# Allegro board S071AA-0413-20260427_Power.brd (continued)
## Routing (per net, layer and track width the routed paths; a pad name or vN(x,y) marks a point on that pad's centre or on a via; arc(x,y) is an arc through that point) (continued)
; D432.B15 20.59,402.39 ; D432.B15 21.66,401.32 ; D228.B13 100.4,391.16 ; D228.B13 98.26,391.16 ; D228.B13 99.33,390.09 ; D228.B13 99.33,392.23 ; D116.A13 174.06,396.24 ; D116.A13 172.99,395.17 ; D116.A13 172.99,397.31 ; D116.A13 171.92,396.24 ; D117.A10 39.44,96.52 ; D117.A10 38.37,97.59 ; D117.A10 38.37,95.45 ; D117.A10 37.3,96.52 ; 263.36,327.66 D109.B6 ; D109.B6 264.43,326.59 ; D109.B6 265.5,327.66 ; D109.B6 264.43,328.73 ; 187.16,391.16 D116.B7 ; D116.B7 189.3,391.16 ; D116.B7 188.23,390.09 ; D116.B7 188.23,392.23 ; 96.79,75.13 D122.A4 ; D122.A4 96.79,77.27 ; D122.A4 97.86,76.2 ; D122.A4 95.72,76.2 ; D431.A8 39.44,383.54 ; D431.A8 38.37,382.47 ; D431.A8 38.37,384.61 ; D431.A8 37.3,383.54 ; D105.B5 247.72,99.06 ; D105.B5 245.58,99.06 ; D105.B5 246.65,100.13 ; D105.B5 246.65,97.99 ; 117.11,382.47 D427.A6 ; D427.A6 117.11,384.61 ; D427.A6 118.18,383.54 ; D427.A6 116.04,383.54 ; D227.A10 106.95,374.45 ; D227.A10 108.02,373.38 ; D227.A10 106.95,372.31 ; D227.A10 105.88,373.38 ; 55.08,386.08 D431.A1 ; D431.A1 56.15,387.15 ; D431.A1 57.22,386.08 ; D431.A1 56.15,385.01 ; D432.B17 16.58,401.32 ; D432.B17 14.44,401.32 ; D432.B17 15.51,400.25 ; D432.B17 15.51,402.39 ; 258.28,332.74 D109.A8 ; D109.A8 259.35,331.67 ; D109.A8 259.35,333.81 ; D109.A8 260.42,332.74 ; 273.52,393.7 D112.A2 ; D112.A2 275.66,393.7 ; D112.A2 274.59,394.77 ; D112.A2 274.59,392.63 ; 269.51,75.13 D106.A14 ; D106.A14 268.44,76.2 ; D106.A14 269.51,77.27 ; D106.A14 270.58,76.2 ; D116.B6 191.84,388.62 ; D116.B6 189.7,388.62 ; D116.B6 190.77,387.55 ; D116.B6 190.77,389.69 ; D116.A9 184.22,396.24 ; D116.A9 183.15,397.31 ; D116.A9 182.08,396.24 ; D116.A9 183.15,395.17 ; 121.12,363.22 CSDPS426.B4 ; CSDPS426.B4 123.26,363.22 ; CSDPS426.B4 122.19,362.15 ; CSDPS426.B4 122.19,364.29 ; D232.B11 30.75,392.23 ; D232.B11 30.75,390.09 ; D232.B11 29.68,391.16 ; D232.B11 31.82,391.16 ; 33.29,341.83 CSDPS429.B10 ; CSDPS429.B10 34.36,342.9 ; CSDPS429.B10 33.29,343.97 ; CSDPS429.B10 32.22,342.9 ; D105.A12 265.5,96.52 ; D105.A12 264.43,95.45 ; D105.A12 263.36,96.52 ; D105.A12 264.43,97.59 ; D228.A7 115.64,396.24 ; D228.A7 113.5,396.24 ; D228.A7 114.57,395.17 ; D228.A7 114.57,397.31 ; 53.61,331.67 CSDPS229.B2 ; CSDPS229.B2 54.68,332.74 ; CSDPS229.B2 52.54,332.74 ; CSDPS229.B2 53.61,333.81 ; 264.43,59.89 D107.B12 ; D107.B12 263.36,60.96 ; D107.B12 265.5,60.96 ; D107.B12 264.43,62.03 ; 180.61,367.23 D115.B10 ; D115.B10 181.68,368.3 ; D115.B10 180.61,369.37 ; D115.B10 179.54,368.3 ; CSDPS429.C7 40.91,341.43 ; CSDPS429.C7 39.84,340.36 ; CSDPS429.C7 40.91,339.29 ; CSDPS429.C7 41.98,340.36 ; 16.07,351.79 UHC230.G4 ; UHC230.G4 17.69,351.79 ; UHC230.G4 16.88,352.6 ; UHC230.G4 16.88,350.98 ; 48.98,361.14 UHC430.G2_6 ; UHC430.G2_6 48.98,362.76 ; UHC430.G2_6 49.79,361.95 ; UHC430.G2_6 48.17,361.95 ; 190.77,351.99 D114.A6 ; D114.A6 191.84,353.06 ; D114.A6 190.77,354.13 ; D114.A6 189.7,353.06 ; D106.A6 250.26,76.2 ; D106.A6 248.12,76.2 ; D106.A6 249.19,75.13 ; D106.A6 249.19,77.27 ; 20.59,92.91 D117.A3 ; D117.A3 21.66,93.98 ; D117.A3 19.52,93.98 ; D117.A3 20.59,95.05 ; D117.B11 40.91,100.13 ; D117.B11 40.91,97.99 ; D117.B11 39.84,99.06 ; D117.B11 41.98,99.06 ; 105.88,342.9 CSDPS425.B10 ; CSDPS425.B10 106.95,343.97 ; CSDPS425.B10 106.95,341.83 ; CSDPS425.B10 108.02,342.9 ; 266.97,334.21 D109.A5 ; D109.A5 265.9,335.28 ; D109.A5 266.97,336.35 ; D109.A5 268.04,335.28 ; D120.B1 15.51,39.17 ; D120.B1 16.58,38.1 ; D120.B1 14.44,38.1 ; D120.B1 15.51,37.03 ; D118.B1 15.51,79.81 ; D118.B1 15.51,77.67 ; D118.B1 14.44,78.74 ; D118.B1 16.58,78.74 ; 260.82,350.52 D110.B7 ; D110.B7 261.89,349.45 ; D110.B7 262.96,350.52 ; D110.B7 261.89,351.59 ; 108.42,381 D427.B9 ; D427.B9 109.49,382.07 ; D427.B9 109.49,379.93 ; D427.B9 110.56,381 ; 178.07,409.14 DPS2.C11 ; DPS2.C11 179.14,410.21 ; DPS2.C11 177,410.21 ; DPS2.C11 178.07,411.28 ; D108.B16 275.66,40.64 ; D108.B16 274.59,41.71 ; D108.B16 273.52,40.64 ; D108.B16 274.59,39.57 ; D124.A1 89.17,34.09 ; D124.A1 89.17,31.95 ; D124.A1 90.24,33.02 ; D124.A1 88.1,33.02 ; 105.88,40.64 D124.B8 ; D124.B8 108.02,40.64 ; D124.B8 106.95,41.71 ; D124.B8 106.95,39.57 ; D122.A5 99.33,74.73 ; D122.A5 98.26,73.66 ; D122.A5 100.4,73.66 ; D122.A5 99.33,72.59 ; 169.38,76.2 D102.A4 ; D102.A4 170.45,75.13 ; D102.A4 170.45,77.27 ; D102.A4 171.52,76.2 ; 261.89,390.09 D112.B7 ; D112.B7 260.82,391.16 ; D112.B7 261.89,392.23 ; D112.B7 262.96,391.16 ; D120.A11 41.98,33.02 ; D120.A11 40.91,31.95 ; D120.A11 40.91,34.09 ; D120.A11 39.84,33.02 ; D432.B2 53.61,399.85 ; D432.B2 54.68,398.78 ; D432.B2 52.54,398.78 ; D432.B2 53.61,397.71 ; 164.3,96.52 D101.A2 ; D101.A2 165.37,97.59 ; D101.A2 166.44,96.52 ; D101.A2 165.37,95.45 ; D115.A15 168.98,375.92 ; D115.A15 167.91,376.99 ; D115.A15 166.84,375.92 ; D115.A15 167.91,374.85 ; D101.B4 171.52,101.6 ; D101.B4 170.45,100.53 ; D101.B4 169.38,101.6 ; D101.B4 170.45,102.67 ; 34.76,78.74 D118.B9 ; D118.B9 35.83,77.67 ; D118.B9 35.83,79.81 ; D118.B9 36.9,78.74 ; D431.B3 52.14,381 ; D431.B3 51.07,382.07 ; D431.B3 50,381 ; D431.B3 51.07,379.93 ; D119.A2 18.05,56.95 ; D119.A2 18.05,54.81 ; D119.A2 16.98,55.88 ; D119.A2 19.12,55.88 ; D101.B15 199.46,99.06 ; D101.B15 198.39,97.99 ; D101.B15 198.39,100.13 ; D101.B15 197.32,99.06 ; D107.B7 252.8,58.42 ; D107.B7 251.73,59.49 ; D107.B7 250.66,58.42 ; D107.B7 251.73,57.35 ; 18.05,331.67 CSDPS229.B16 ; CSDPS229.B16 19.12,332.74 ; CSDPS229.B16 18.05,333.81 ; CSDPS229.B16 16.98,332.74 ; 241.57,374.85 D111.A15 ; D111.A15 242.64,375.92 ; D111.A15 241.57,376.99 ; D111.A15 240.5,375.92 ; DPS1.A11 262.96,13.97 ; DPS1.A11 261.89,15.04 ; DPS1.A11 260.82,13.97 ; D227.A14 96.79,374.45 ; D227.A14 95.72,373.38 ; D227.A14 97.86,373.38 ; D227.A14 96.79,372.31 ; 91.71,331.67 CSDPS225.B16 ; CSDPS225.B16 91.71,333.81 ; CSDPS225.B16 92.78,332.74 ; CSDPS225.B16 90.64,332.74 ; 20.59,72.59 D118.A3 ; D118.A3 19.52,73.66 ; D118.A3 21.66,73.66 ; D118.A3 20.59,74.73 ; CSDPS429.B8 39.44,342.9 ; CSDPS429.B8 37.3,342.9 ; CSDPS429.B8 38.37,341.83 ; CSDPS429.B8 38.37,343.97 ; D427.A17 90.24,386.08 ; D427.A17 89.17,385.01 ; D427.A17 88.1,386.08 ; D427.A17 89.17,387.15 ; 95.72,378.46 D427.B14 ; D427.B14 97.86,378.46 ; D427.B14 96.79,377.39 ; D427.B14 96.79,379.53 ; D104.A1 162.83,34.09 ; D104.A1 162.83,31.95 ; D104.A1 163.9,33.02 ; D104.A1 161.76,33.02 ; D114.A11 178.07,356.67 ; D114.A11 177,355.6 ; D114.A11 178.07,354.53 ; D114.A11 179.14,355.6 ; 240.5,396.24 D112.A15 ; D112.A15 241.57,395.17 ; D112.A15 241.57,397.31 ; D112.A15 242.64,396.24 ; D108.B9 256.81,39.17 ; D108.B9 255.74,38.1 ; D108.B9 256.81,37.03 ; D108.B9 257.88,38.1 ; D121.B8 108.02,101.6 ; D121.B8 106.95,100.53 ; D121.B8 105.88,101.6 ; D121.B8 106.95,102.67 ; 24.6,58.42 D119.B5 ; D119.B5 25.67,57.35 ; D119.B5 25.67,59.49 ; D119.B5 26.74,58.42 ; D101.B11 189.3,99.06 ; D101.B11 188.23,97.99 ; D101.B11 187.16,99.06 ; D101.B11 188.23,100.13 ; D228.A4 123.26,393.7 ; D228.A4 121.12,393.7 ; D228.A4 122.19,392.63 ; D228.A4 122.19,394.77 ; 129.81,329.13 CSDPS225.C1 ; CSDPS225.C1 130.88,330.2 ; CSDPS225.C1 128.74,330.2 ; CSDPS225.C1 129.81,331.27 ; D109.B2 274.59,328.73 ; D109.B2 274.59,326.59 ; D109.B2 275.66,327.66 ; D109.B2 273.52,327.66 ; D106.B13 268.04,78.74 ; D106.B13 266.97,79.81 ; D106.B13 266.97,77.67 ; D106.B13 265.9,78.74 ; D119.B4 24.2,60.96 ; D119.B4 23.13,59.89 ; D119.B4 22.06,60.96 ; D119.B4 23.13,62.03 ; 91.71,341.83 CSDPS425.B16 ; CSDPS425.B16 92.78,342.9 ; CSDPS425.B16 90.64,342.9 ; CSDPS425.B16 91.71,343.97 ; D119.B13 47.06,58.42 ; D119.B13 45.99,57.35 ; D119.B13 44.92,58.42 ; D119.B13 45.99,59.49 ; UHC230.G4_12 17.69,348.29 ; UHC230.G4_12 16.07,348.29 ; UHC230.G4_12 16.88,347.48 ; UHC230.G4_12 16.88,349.1 ; D107.B14 269.51,62.03 ; D107.B14 268.44,60.96 ; D107.B14 270.58,60.96 ; D107.B14 269.51,59.89 ; 93.18,58.42 D123.B3 ; D123.B3 94.25,57.35 ; D123.B3 94.25,59.49 ; D123.B3 95.32,58.42 ; D102.A9 183.15,74.73 ; D102.A9 183.15,72.59 ; D102.A9 182.08,73.66 ; D102.A9 184.22,73.66 ; 123.66,99.06 D121.B15 ; D121.B15 124.73,97.99 ; D121.B15 125.8,99.06 ; D121.B15 124.73,100.13 ; D115.B5 194.38,370.84 ; D115.B5 192.24,370.84 ; D115.B5 193.31,371.91 ; D115.B5 193.31,369.77 ; D107.A6 250.26,55.88 ; D107.A6 248.12,55.88 ; D107.A6 249.19,54.81 ; D107.A6 249.19,56.95 ; 250.66,99.06 D105.B7 ; D105.B7 251.73,100.13 ; D105.B7 252.8,99.06 ; D105.B7 251.73,97.99 ; D106.A1 237.56,73.66 ; D106.A1 235.42,73.66 ; D106.A1 236.49,74.73 ; D106.A1 236.49,72.59 ; D114.A12 175.53,354.13 ; D114.A12 175.53,351.99 ; D114.A12 174.46,353.06 ; D114.A12 176.6,353.06 ; 174.46,96.52 D101.A6 ; D101.A6 176.6,96.52 ; D101.A6 175.53,95.45 ; D101.A6 175.53,97.59 ; 24.6,386.08 D431.A13 ; D431.A13 26.74,386.08 ; D431.A13 25.67,385.01 ; D431.A13 25.67,387.15 ; 101.87,80.21 D122.B6 ; D122.B6 101.87,82.35 ; D122.B6 102.94,81.28 ; D122.B6 100.8,81.28 ; D121.A10 113.1,96.52 ; D121.A10 112.03,97.59 ; D121.A10 112.03,95.45 ; D121.A10 110.96,96.52 ; D427.B1 129.81,382.07 ; D427.B1 130.88,381 ; D427.B1 128.74,381 ; D427.B1 129.81,379.93 ; D232.A8 39.44,393.7 ; D232.A8 38.37,394.77 ; D232.A8 37.3,393.7 ; D232.A8 38.37,392.63 ; D101.B7 178.07,100.13 ; D101.B7 177,99.06 ; D101.B7 179.14,99.06 ; D101.B7 178.07,97.99 ; 93.18,340.36 CSDPS425.C15 ; CSDPS425.C15 95.32,340.36 ; CSDPS425.C15 94.25,341.43 ; CSDPS425.C15 94.25,339.29 ; D113.B15 168.98,330.2 ; D113.B15 167.91,331.27 ; D113.B15 166.84,330.2 ; D113.B15 167.91,329.13 ; 106.95,402.79 D428.A10 ; D428.A10 106.95,404.93 ; D428.A10 105.88,403.86 ; D428.A10 108.02,403.86 ; 255.74,370.84 D111.B9 ; D111.B9 257.88,370.84 ; D111.B9 256.81,371.91 ; D111.B9 256.81,369.77 ; D427.B5 120.72,381 ; D427.B5 119.65,382.07 ; D427.B5 118.58,381 ; D427.B5 119.65,379.93 ; D107.A9 256.81,54.41 ; D107.A9 256.81,52.27 ; D107.A9 257.88,53.34 ; D107.A9 255.74,53.34 ; D427.A14 96.79,384.61 ; D427.A14 97.86,383.54 ; D427.A14 96.79,382.47 ; D427.A14 95.72,383.54 ; D232.A15 20.59,397.31 ; D232.A15 21.66,396.24 ; D232.A15 19.52,396.24 ; D232.A15 20.59,395.17 ; 98.26,93.98 D121.A5 ; D121.A5 99.33,92.91 ; D121.A5 99.33,95.05 ; D121.A5 100.4,93.98 ; D110.A14 245.18,353.06 ; D110.A14 244.11,351.99 ; D110.A14 244.11,354.13 ; D110.A14 243.04,353.06 ; 24.6,78.74 D118.B5 ; D118.B5 25.67,79.81 ; D118.B5 26.74,78.74 ; D118.B5 25.67,77.67 ; D232.B5 45.99,392.23 ; D232.B5 45.99,390.09 ; D232.B5 47.06,391.16 ; D232.B5 44.92,391.16 ; 235.42,19.05 DPS1.C01 ; DPS1.C01 236.49,17.98 ; DPS1.C01 237.56,19.05 ; DPS1.C01 236.49,20.12 ; 27.14,383.54 D431.A12 ; D431.A12 28.21,382.47 ; D431.A12 29.28,383.54 ; D431.A12 28.21,384.61 ; 20.59,31.95 D120.A3 ; D120.A3 20.59,34.09 ; D120.A3 21.66,33.02 ; D120.A3 19.52,33.02 ; D124.A15 125.8,33.02 ; D124.A15 123.66,33.02 ; D124.A15 124.73,34.09 ; D124.A15 124.73,31.95 ; UHC430.G1_3 15.39,365.45 ; UHC430.G1_3 13.77,365.45 ; UHC430.G1_3 14.58,364.64 ; UHC430.G1_3 14.58,366.26 ; D109.A6 265.5,332.74 ; D109.A6 264.43,331.67 ; D109.A6 263.36,332.74 ; D109.A6 264.43,333.81 ; CSDPS229.B14 23.13,333.81 ; CSDPS229.B14 24.2,332.74 ; CSDPS229.B14 23.13,331.67 ; CSDPS229.B14 22.06,332.74 ; D121.B2 91.71,102.67 ; D121.B2 91.71,100.53 ; D121.B2 92.78,101.6 ; D121.B2 90.64,101.6 ; CSDPS429.B2 54.68,342.9 ; CSDPS429.B2 52.54,342.9 ; CSDPS429.B2 53.61,341.83 ; CSDPS429.B2 53.61,343.97 ; D102.B16 200.93,82.35 ; D102.B16 200.93,80.21 ; D102.B16 202,81.28 ; D102.B16 199.86,81.28 ; D428.A8 112.03,404.93 ; D428.A8 112.03,402.79 ; D428.A8 113.1,403.86 ; D428.A8 110.96,403.86 ; 122.19,341.83 CSDPS425.B4 ; CSDPS425.B4 121.12,342.9 ; CSDPS425.B4 123.26,342.9 ; CSDPS425.B4 122.19,343.97 ; D102.A7 178.07,74.73 ; D102.A7 177,73.66 ; D102.A7 179.14,73.66 ; D102.A7 178.07,72.59 ; D231.A13 25.67,376.99 ; D231.A13 25.67,374.85 ; D231.A13 24.6,375.92 ; D231.A13 26.74,375.92 ; 244.11,80.21 D106.B4 ; D106.B4 245.18,81.28 ; D106.B4 243.04,81.28 ; D106.B4 244.11,82.35 ; D110.A6 265.5,353.06 ; D110.A6 263.36,353.06 ; D110.A6 264.43,351.99 ; D110.A6 264.43,354.13 ; D111.B4 269.51,369.37 ; D111.B4 270.58,368.3 ; D111.B4 268.44,368.3 ; D111.B4 269.51,367.23 ; D113.B6 190.77,328.73 ; D113.B6 191.84,327.66 ; D113.B6 190.77,326.59 ; D113.B6 189.7,327.66 ; D124.B2 92.78,40.64 ; D124.B2 90.64,40.64 ; D124.B2 91.71,39.57 ; D124.B2 91.71,41.71 ; D101.B10 185.69,102.67 ; D101.B10 184.62,101.6 ; D101.B10 185.69,100.53 ; D101.B10 186.76,101.6 ; 106.95,59.89 D123.B8 ; D123.B8 108.02,60.96 ; D123.B8 105.88,60.96 ; D123.B8 106.95,62.03 ; 184.62,388.62 D116.B8 ; D116.B8 185.69,387.55 ; D116.B8 186.76,388.62 ; D116.B8 185.69,389.69 ; 256.81,77.67 D106.B9 ; D106.B9 256.81,79.81 ; D106.B9 255.74,78.74 ; D106.B9 257.88,78.74 ; D123.B14 123.26,60.96 ; D123.B14 121.12,60.96 ; D123.B14 122.19,62.03 ; D123.B14 122.19,59.89 ; D231.B12 28.21,369.37 ; D231.B12 29.28,368.3 ; D231.B12 28.21,367.23 ; D231.B12 27.14,368.3 ; D111.A3 272.05,376.99 ; D111.A3 270.98,375.92 ; D111.A3 273.12,375.92 ; D111.A3 272.05,374.85 ; 123.66,73.66 D122.A15 ; D122.A15 124.73,74.73 ; D122.A15 124.73,72.59 ; D122.A15 125.8,73.66 ; 178.07,37.03 D104.B7 ; D104.B7 179.14,38.1 ; D104.B7 178.07,39.17 ; D104.B7 177,38.1 ; 121.12,368.3 D227.B4 ; D227.B4 122.19,369.37 ; D227.B4 122.19,367.23 ; D227.B4 123.26,368.3 ; D102.A8 181.68,76.2 ; D102.A8 180.61,75.13 ; D102.A8 180.61,77.27 ; D102.A8 179.54,76.2 ; 27.14,388.62 D232.B12 ; D232.B12 28.21,387.55 ; D232.B12 29.28,388.62 ; D232.B12 28.21,389.69 ; 263.36,368.3 D111.B6 ; D111.B6 264.43,367.23 ; D111.B6 265.5,368.3 ; D111.B6 264.43,369.37 ; 185.69,326.59 D113.B8 ; D113.B8 185.69,328.73 ; D113.B8 186.76,327.66 ; D113.B8 184.62,327.66 ; 47.46,35.56 D120.A14 ; D120.A14 49.6,35.56 ; D120.A14 48.53,34.49 ; D120.A14 48.53,36.63 ; D114.B4 195.85,349.05 ; D114.B4 194.78,347.98 ; D114.B4 196.92,347.98 ; D114.B4 195.85,346.91 ; D228.A3 125.8,396.24 ; D228.A3 124.73,397.31 ; D228.A3 123.66,396.24 ; D228.A3 124.73,395.17 ; UHC430.G2_11 48.98,359.26 ; UHC430.G2_11 48.17,358.45 ; UHC430.G2_11 49.79,358.45 ; UHC430.G2_11 48.98,357.64 ; D111.A12 250.26,373.38 ; D111.A12 249.19,374.45 ; D111.A12 248.12,373.38 ; D111.A12 249.19,372.31 ; 177,415.29 DPS2.A11 ; DPS2.A11 178.07,414.22 ; DPS2.A11 179.14,415.29 ; 48.53,95.45 D117.A14 ; D117.A14 48.53,97.59 ; D117.A14 47.46,96.52 ; D117.A14 49.6,96.52 ; CSDPS425.C13 100.4,340.36 ; CSDPS425.C13 99.33,341.43 ; CSDPS425.C13 99.33,339.29 ; CSDPS425.C13 98.26,340.36 ; 50,375.92 D231.A3 ; D231.A3 51.07,376.99 ; D231.A3 52.14,375.92 ; D231.A3 51.07,374.85 ; D428.B15 94.25,402.39 ; D428.B15 94.25,400.25 ; D428.B15 95.32,401.32 ; D428.B15 93.18,401.32 ; 251.73,31.95 D108.A7 ; D108.A7 251.73,34.09 ; D108.A7 250.66,33.02 ; D108.A7 252.8,33.02 ; D105.A11 262.96,93.98 ; D105.A11 260.82,93.98 ; D105.A11 261.89,95.05 ; D105.A11 261.89,92.91 ; 166.84,396.24 D116.A15 ; D116.A15 168.98,396.24 ; D116.A15 167.91,395.17 ; D116.A15 167.91,397.31 ; 20.59,97.99 D117.B3 ; D117.B3 19.52,99.06 ; D117.B3 20.59,100.13 ; D117.B3 21.66,99.06 ; D120.B8 34.36,40.64 ; D120.B8 32.22,40.64 ; D120.B8 33.29,39.57 ; D120.B8 33.29,41.71 ; 96.79,397.71 D428.B14 ; D428.B14 97.86,398.78 ; D428.B14 96.79,399.85 ; D428.B14 95.72,398.78 ; 270.98,13.97 DPS1.A15 ; DPS1.A15 272.05,12.9 ; DPS1.A15 272.05,15.04 ; DPS1.A15 273.12,13.97 ; D104.A11 189.3,33.02 ; D104.A11 188.23,34.09 ; D104.A11 188.23,31.95 ; D104.A11 187.16,33.02 ; D431.A14 24.2,383.54 ; D431.A14 23.13,384.61 ; D431.A14 22.06,383.54 ; D431.A14 23.13,382.47 ; 37.3,378.46 D431.B8 ; D431.B8 38.37,377.39 ; D431.B8 39.44,378.46 ; D431.B8 38.37,379.53 ; 29.68,340.36 CSDPS429.C11 ; CSDPS429.C11 30.75,339.29 ; CSDPS429.C11 31.82,340.36 ; CSDPS429.C11 30.75,341.43 ; 45.99,92.91 D117.A13 ; D117.A13 45.99,95.05 ; D117.A13 44.92,93.98 ; D117.A13 47.06,93.98 ; 38.37,54.81 D119.A10 ; D119.A10 38.37,56.95 ; D119.A10 39.44,55.88 ; D119.A10 37.3,55.88 ; 51.07,390.09 D232.B3 ; D232.B3 50,391.16 ; D232.B3 51.07,392.23 ; D232.B3 52.14,391.16 ; 118.58,93.98 D121.A13 ; D121.A13 119.65,95.05 ; D121.A13 119.65,92.91 ; D121.A13 120.72,93.98 ; 116.04,378.46 D427.B6 ; D427.B6 118.18,378.46 ; D427.B6 117.11,377.39 ; D427.B6 117.11,379.53 ; CSDPS429.C5 47.06,340.36 ; CSDPS429.C5 45.99,341.43 ; CSDPS429.C5 44.92,340.36 ; CSDPS429.C5 45.99,339.29 ; UHC430.G2_1 48.98,366.26 ; UHC430.G2_1 48.98,364.64 ; UHC430.G2_1 48.17,365.45 ; UHC430.G2_1 49.79,365.45 ; D106.B16 274.59,82.35 ; D106.B16 275.66,81.28 ; D106.B16 274.59,80.21 ; D106.B16 273.52,81.28 ; D104.A8 180.61,36.63 ; D104.A8 179.54,35.56 ; D104.A8 180.61,34.49 ; D104.A8 181.68,35.56 ; 178.07,374.85 D115.A11 ; D115.A11 177,375.92 ; D115.A11 179.14,375.92 ; D115.A11 178.07,376.99 ; D115.B1 203.47,371.91 ; D115.B1 202.4,370.84 ; D115.B1 204.54,370.84 ; D115.B1 203.47,369.77 ; 112.03,54.81 D123.A10 ; D123.A10 112.03,56.95 ; D123.A10 113.1,55.88 ; D123.A10 110.96,55.88 ; 28.21,100.53 D117.B6 ; D117.B6 29.28,101.6 ; D117.B6 28.21,102.67 ; D117.B6 27.14,101.6 ; 35.83,97.99 D117.B9 ; D117.B9 36.9,99.06 ; D117.B9 35.83,100.13 ; D117.B9 34.76,99.06 ; 167.91,31.95 D104.A3 ; D104.A3 166.84,33.02 ; D104.A3 168.98,33.02 ; D104.A3 167.91,34.09 ; 128.74,386.08 D427.A1 ; D427.A1 129.81,387.15 ; D427.A1 130.88,386.08 ; D427.A1 129.81,385.01 ; 255.74,355.6 D110.A9 ; D110.A9 256.81,354.53 ; D110.A9 256.81,356.67 ; D110.A9 257.88,355.6 ; D114.B11 179.14,350.52 ; D114.B11 177,350.52 ; D114.B11 178.07,351.59 ; D114.B11 178.07,349.45 ; 98.26,406.4 D428.A13 ; D428.A13 100.4,406.4 ; D428.A13 99.33,407.47 ; D428.A13 99.33,405.33 ; CSDPS429.C3 51.07,341.43 ; CSDPS429.C3 51.07,339.29 ; CSDPS429.C3 52.14,340.36 ; CSDPS429.C3 50,340.36 ; 104.41,329.13 CSDPS225.C11 ; CSDPS225.C11 104.41,331.27 ; CSDPS225.C11 103.34,330.2 ; CSDPS225.C11 105.48,330.2 ; D102.B14 196.92,81.28 ; D102.B14 195.85,80.21 ; D102.B14 195.85,82.35 ; D102.B14 194.78,81.28 ; 93.18,360.68 CSDPS426.C15 ; CSDPS426.C15 95.32,360.68 ; CSDPS426.C15 94.25,359.61 ; CSDPS426.C15 94.25,361.75 ; D124.A4 97.86,35.56 ; D124.A4 95.72,35.56 ; D124.A4 96.79,34.49 ; D124.A4 96.79,36.63 ; 192.24,375.92 D115.A5 ; D115.A5 193.31,374.85 ; D115.A5 193.31,376.99 ; D115.A5 194.38,375.92 ; CSDPS225.B2 128.34,332.74 ; CSDPS225.B2 127.27,331.67 ; CSDPS225.B2 127.27,333.81 ; CSDPS225.B2 126.2,332.74 ; 18.05,402.79 D432.A16 ; D432.A16 16.98,403.86 ; D432.A16 19.12,403.86 ; D432.A16 18.05,404.93 ; D227.B7 115.64,370.84 ; D227.B7 114.57,371.91 ; D227.B7 114.57,369.77 ; D227.B7 113.5,370.84 ; 43.57,351.79 UHC230.G3_8 ; UHC230.G3_8 44.38,352.6 ; UHC230.G3_8 45.19,351.79 ; UHC230.G3_8 44.38,350.98 ; D120.A1 15.51,34.09 ; D120.A1 14.44,33.02 ; D120.A1 15.51,31.95 ; D120.A1 16.58,33.02 ; 258.28,353.06 D110.A8 ; D110.A8 260.42,353.06 ; D110.A8 259.35,351.99 ; D110.A8 259.35,354.13 ; 245.58,58.42 D107.B5 ; D107.B5 247.72,58.42 ; D107.B5 246.65,57.35 ; D107.B5 246.65,59.49 ; D432.A13 25.67,407.47 ; D432.A13 24.6,406.4 ; D432.A13 26.74,406.4 ; D432.A13 25.67,405.33 ; 174.46,55.88 D103.A6 ; D103.A6 175.53,56.95 ; D103.A6 175.53,54.81 ; D103.A6 176.6,55.88
  L02_DGND w0.203: 46.68,364.64 UHC430.G2_2 ; UHC430.G2_2 45.87,365.45 ; UHC430.G2_2 46.68,366.26 ; UHC430.G2_2 47.49,365.45 ; 184.88,332.74 D113.A8 ; D113.A8 186.5,332.74 ; D113.A8 185.69,331.93 ; D113.A8 185.69,333.55 ; 244.11,326.85 D109.B14 ; D109.B14 244.92,327.66 ; D109.B14 244.11,328.47 ; D109.B14 243.3,327.66 ; 268.7,35.56 D108.A14 ; D108.A14 269.51,36.37 ; D108.A14 270.32,35.56 ; D108.A14 269.51,34.75 ; 251.73,354.79 D110.A11 ; D110.A11 251.73,356.41 ; D110.A11 252.54,355.6 ; D110.A11 250.92,355.6 ; D109.A5 267.78,335.28 ; D109.A5 266.97,334.47 ; D109.A5 266.97,336.09 ; D109.A5 266.16,335.28 ; 106.14,96.52 D121.A8 ; D121.A8 106.95,95.71 ; D121.A8 107.76,96.52 ; D121.A8 106.95,97.33 ; 48.17,348.29 UHC230.G3_11 ; UHC230.G3_11 48.98,347.48 ; UHC230.G3_11 49.79,348.29 ; UHC230.G3_11 48.98,349.1 ; 111.22,342.9 CSDPS425.B8 ; CSDPS425.B8 112.03,343.71 ; CSDPS425.B8 112.03,342.09 ; CSDPS425.B8 112.84,342.9 ; 32.48,398.78 D432.B10 ; D432.B10 34.1,398.78 ; D432.B10 33.29,399.59 ; D432.B10 33.29,397.97 ; 254.27,39.83 D108.B8 ; D108.B8 254.27,41.45 ; D108.B8 253.46,40.64 ; D108.B8 255.08,40.64 ; 251.73,349.71 D110.B11 ; D110.B11 251.73,351.33 ; D110.B11 252.54,350.52 ; D110.B11 250.92,350.52 ; 172.18,53.34 D103.A5 ; D103.A5 172.99,54.15 ; D103.A5 173.8,53.34 ; D103.A5 172.99,52.53 ; 202.66,335.28 D113.A1 ; D113.A1 203.47,334.47 ; D113.A1 204.28,335.28 ; D113.A1 203.47,336.09 ; 167.1,58.42 D103.B3 ; D103.B3 167.91,59.23 ; D103.B3 167.91,57.61 ; D103.B3 168.72,58.42 ; UHC430.G1_4 18.03,364.51 ; UHC430.G1_4 18.84,363.7 ; UHC430.G1_4 17.22,363.7 ; UHC430.G1_4 18.03,362.89 ; 248.38,55.88 D107.A6 ; D107.A6 249.19,56.69 ; D107.A6 250,55.88 ; D107.A6 249.19,55.07 ; 106.95,39.83 D124.B8 ; D124.B8 107.76,40.64 ; D124.B8 106.14,40.64 ; D124.B8 106.95,41.45 ; D227.A13 99.33,376.73 ; D227.A13 100.14,375.92 ; D227.A13 98.52,375.92 ; D227.A13 99.33,375.11 ; 45.18,410.21 DPS8.C05 ; DPS8.C05 45.99,411.02 ; DPS8.C05 46.8,410.21 ; DPS8.C05 45.99,409.4 ; 266.16,73.66 D106.A13 ; D106.A13 266.97,72.85 ; D106.A13 267.78,73.66 ; D106.A13 266.97,74.47 ; 198.39,370.03 D115.B3 ; D115.B3 197.58,370.84 ; D115.B3 199.2,370.84 ; D115.B3 198.39,371.65 ; 202.66,415.29 DPS2.A01 ; DPS2.A01 203.47,416.1 ; DPS2.A01 203.47,414.48 ; DPS2.A01 204.28,415.29 ; 273.78,76.2 D106.A16 ; D106.A16 274.59,75.39 ; D106.A16 275.4,76.2 ; D106.A16 274.59,77.01 ; D228.A11 104.41,397.05 ; D228.A11 103.6,396.24 ; D228.A11 104.41,395.43 ; D228.A11 105.22,396.24 ; D431.A4 48.53,384.35 ; D431.A4 47.72,383.54 ; D431.A4 49.34,383.54 ; D431.A4 48.53,382.73 ; 200.12,393.7 D116.A2 ; D116.A2 200.93,392.89 ; D116.A2 200.93,394.51 ; D116.A2 201.74,393.7 ; 45.18,381 D431.B5 ; D431.B5 45.99,380.19 ; D431.B5 45.99,381.81 ; D431.B5 46.8,381 ; D431.A2 53.61,384.35 ; D431.A2 53.61,382.73 ; D431.A2 52.8,383.54 ; D431.A2 54.42,383.54 ; 28.21,397.97 D432.B12 ; D432.B12 27.4,398.78 ; D432.B12 29.02,398.78 ; D432.B12 28.21,399.59 ; D112.B3 272.05,391.97 ; D112.B3 272.86,391.16 ; D112.B3 271.24,391.16 ; D112.B3 272.05,390.35 ; DPS3.A11 114.57,14.78 ; DPS3.A11 115.38,13.97 ; DPS3.A11 113.76,13.97 ; DPS3.A11 114.57,13.16 ; D101.A11 189.04,93.98 ; D101.A11 188.23,93.17 ; D101.A11 187.42,93.98 ; D101.A11 188.23,94.79 ; D123.A9 110.3,53.34 ; D123.A9 109.49,52.53 ; D123.A9 109.49,54.15 ; D123.A9 108.68,53.34 ; 200.12,81.28 D102.B16 ; D102.B16 200.93,82.09 ; D102.B16 200.93,80.47 ; D102.B16 201.74,81.28 ; D121.B7 105.22,99.06 ; D121.B7 104.41,98.25 ; D121.B7 104.41,99.87 ; D121.B7 103.6,99.06 ; CSDPS425.C11 104.41,341.17 ; CSDPS425.C11 103.6,340.36 ; CSDPS425.C11 104.41,339.55 ; CSDPS425.C11 105.22,340.36 ; D231.A11 31.56,375.92 ; D231.A11 29.94,375.92 ; D231.A11 30.75,375.11 ; D231.A11 30.75,376.73 ; 129,350.52 CSDPS226.C1 ; CSDPS226.C1 130.62,350.52 ; CSDPS226.C1 129.81,351.33 ; CSDPS226.C1 129.81,349.71 ; 245.84,391.16 D112.B13 ; D112.B13 246.65,391.97 ; D112.B13 247.46,391.16 ; D112.B13 246.65,390.35 ; D109.A4 269.51,333.55 ; D109.A4 270.32,332.74 ; D109.A4 268.7,332.74 ; D109.A4 269.51,331.93 ; 129,370.84 D227.B1 ; D227.B1 129.81,371.65 ; D227.B1 129.81,370.03 ; D227.B1 130.62,370.84 ; 193.31,57.61 D103.B13 ; D103.B13 193.31,59.23 ; D103.B13 194.12,58.42 ; D103.B13 192.5,58.42 ; CSDPS229.B12 29.02,332.74 ; CSDPS229.B12 28.21,331.93 ; CSDPS229.B12 28.21,333.55 ; CSDPS229.B12 27.4,332.74 ; CSDPS426.C11 104.41,361.49 ; CSDPS426.C11 103.6,360.68 ; CSDPS426.C11 105.22,360.68 ; CSDPS426.C11 104.41,359.87 ; 15.51,57.61 D119.B1 ; D119.B1 16.32,58.42 ; D119.B1 14.7,58.42 ; D119.B1 15.51,59.23 ; 246.65,329.39 D109.B13 ; D109.B13 247.46,330.2 ; D109.B13 246.65,331.01 ; D109.B13 245.84,330.2 ; 202.66,330.2 D113.B1 ; D113.B1 203.47,331.01 ; D113.B1 203.47,329.39 ; D113.B1 204.28,330.2 ; 48.98,364.64 UHC430.G2_1 ; UHC430.G2_1 48.98,366.26 ; UHC430.G2_1 49.79,365.45 ; UHC430.G2_1 48.17,365.45 ; 272.05,77.93 D106.B15 ; D106.B15 271.24,78.74 ; D106.B15 272.05,79.55 ; D106.B15 272.86,78.74 ; 93.44,406.4 D428.A15 ; D428.A15 94.25,405.59 ; D428.A15 94.25,407.21 ; D428.A15 95.06,406.4 ; D432.B1 56.96,401.32 ; D432.B1 56.15,400.51 ; D432.B1 56.15,402.13 ; D432.B1 55.34,401.32 ; D232.A6 43.45,394.51 ; D232.A6 44.26,393.7 ; D232.A6 43.45,392.89 ; D232.A6 42.64,393.7 ; 98.52,19.05 DPS3.C05 ; DPS3.C05 99.33,18.24 ; DPS3.C05 99.33,19.86 ; DPS3.C05 100.14,19.05 ; D121.B2 92.52,101.6 ; D121.B2 91.71,102.41 ; D121.B2 90.9,101.6 ; D121.B2 91.71,100.79 ; 187.42,58.42 D103.B11 ; D103.B11 189.04,58.42 ; D103.B11 188.23,59.23 ; D103.B11 188.23,57.61 ; 167.91,354.79 D114.A15 ; D114.A15 168.72,355.6 ; D114.A15 167.1,355.6 ; D114.A15 167.91,356.41 ; 96.79,331.93 CSDPS225.B14 ; CSDPS225.B14 96.79,333.55 ; CSDPS225.B14 95.98,332.74 ; CSDPS225.B14 97.6,332.74 ; D119.A15 51.07,54.15 ; D119.A15 51.88,53.34 ; D119.A15 50.26,53.34 ; D119.A15 51.07,52.53 ; 245.84,375.92 D111.A13 ; D111.A13 247.46,375.92 ; D111.A13 246.65,376.73 ; D111.A13 246.65,375.11 ; D109.A8 260.16,332.74 ; D109.A8 258.54,332.74 ; D109.A8 259.35,333.55 ; D109.A8 259.35,331.93 ; UHC230.G4_5 15.73,354.35 ; UHC230.G4_5 15.73,352.73 ; UHC230.G4_5 14.92,353.54 ; UHC230.G4_5 16.54,353.54 ; 88.36,93.98 D121.A1 ; D121.A1 89.98,93.98 ; D121.A1 89.17,94.79 ; D121.A1 89.17,93.17 ; 106.14,393.7 D228.A10 ; D228.A10 107.76,393.7 ; D228.A10 106.95,392.89 ; D228.A10 106.95,394.51 ; D232.A3 51.88,396.24 ; D232.A3 51.07,397.05 ; D232.A3 50.26,396.24 ; D232.A3 51.07,395.43 ; 88.36,381 D427.B17 ; D427.B17 89.17,380.19 ; D427.B17 89.17,381.81 ; D427.B17 89.98,381 ; 96.79,382.73 D427.A14 ; D427.A14 95.98,383.54 ; D427.A14 96.79,384.35 ; D427.A14 97.6,383.54 ; 195.85,331.93 D113.A4 ; D113.A4 196.66,332.74 ; D113.A4 195.04,332.74 ; D113.A4 195.85,333.55 ; D107.B2 239.84,60.96 ; D107.B2 238.22,60.96 ; D107.B2 239.03,60.15 ; D107.B2 239.03,61.77 ; D111.B3 272.86,370.84 ; D111.B3 271.24,370.84 ; D111.B3 272.05,370.03 ; D111.B3 272.05,371.65 ; D113.B6 191.58,327.66 ; D113.B6 190.77,328.47 ; D113.B6 189.96,327.66 ; D113.B6 190.77,326.85 ; D227.A9 109.49,376.73 ; D227.A9 109.49,375.11 ; D227.A9 108.68,375.92 ; D227.A9 110.3,375.92 ; CSDPS425.C7 114.57,341.17 ; CSDPS425.C7 115.38,340.36 ; CSDPS425.C7 113.76,340.36 ; CSDPS425.C7 114.57,339.55 ; 253.46,393.7 D112.A10 ; D112.A10 254.27,394.51 ; D112.A10 255.08,393.7 ; D112.A10 254.27,392.89 ; 40.1,73.66 D118.A11 ; D118.A11 40.91,72.85 ; D118.A11 41.72,73.66 ; D118.A11 40.91,74.47 ; 178.07,414.48 DPS2.A11 ; DPS2.A11 178.88,415.29 ; DPS2.A11 177.26,415.29 ; DPS2.A11 178.07,416.1 ; 271.24,93.98 D105.A15 ; D105.A15 272.05,94.79 ; D105.A15 272.86,93.98 ; D105.A15 272.05,93.17 ; D228.A14 97.6,393.7 ; D228.A14 96.79,394.51 ; D228.A14 95.98,393.7 ; D228.A14 96.79,392.89 ; D431.B17 16.32,381 ; D431.B17 15.51,380.19 ; D431.B17 14.7,381 ; D431.B17 15.51,381.81 ; D123.B15 125.54,58.42 ; D123.B15 123.92,58.42 ; D123.B15 124.73,59.23 ; D123.B15 124.73,57.61 ; D111.B14 244.11,369.11 ; D111.B14 243.3,368.3 ; D111.B14 244.11,367.49 ; D111.B14 244.92,368.3 ; D227.A11 105.22,375.92 ; D227.A11 104.41,375.11 ; D227.A11 104.41,376.73 ; D227.A11 103.6,375.92 ; D428.B10 106.95,399.59 ; D428.B10 106.14,398.78 ; D428.B10 107.76,398.78 ; D428.B10 106.95,397.97 ; D428.A6 117.92,403.86 ; D428.A6 117.11,404.67 ; D428.A6 116.3,403.86 ; D428.A6 117.11,403.05 ; D231.B2 53.61,369.11 ; D231.B2 53.61,367.49 ; D231.B2 52.8,368.3 ; D231.B2 54.42,368.3 ; 18.05,392.89 D232.A16 ; D232.A16 17.24,393.7 ; D232.A16 18.05,394.51 ; D232.A16 18.86,393.7 ; D227.B13 100.14,370.84 ; D227.B13 98.52,370.84 ; D227.B13 99.33,371.65 ; D227.B13 99.33,370.03 ; D122.B15 124.73,79.55 ; D122.B15 123.92,78.74 ; D122.B15 125.54,78.74 ; D122.B15 124.73,77.93 ; CSDPS229.B8 39.18,332.74 ; CSDPS229.B8 38.37,331.93 ; CSDPS229.B8 37.56,332.74 ; CSDPS229.B8 38.37,333.55 ; 124.73,375.11 D227.A3 ; D227.A3 125.54,375.92 ; D227.A3 124.73,376.73 ; D227.A3 123.92,375.92 ; 98.52,396.24 D228.A13 ; D228.A13 99.33,395.43 ; D228.A13 99.33,397.05 ; D228.A13 100.14,396.24 ; D228.A9 110.3,396.24 ; D228.A9 109.49,397.05 ; D228.A9 109.49,395.43 ; D228.A9 108.68,396.24 ; 167.1,93.98 D101.A3 ; D101.A3 168.72,93.98 ; D101.A3 167.91,93.17 ; D101.A3 167.91,94.79 ; 180.61,367.49 D115.B10 ; D115.B10 181.42,368.3 ; D115.B10 179.8,368.3 ; D115.B10 180.61,369.11 ; 47.72,35.56 D120.A14 ; D120.A14 48.53,34.75 ; D120.A14 49.34,35.56 ; D120.A14 48.53,36.37 ; D103.B7 178.07,59.23 ; D103.B7 177.26,58.42 ; D103.B7 178.07,57.61 ; D103.B7 178.88,58.42 ; 183.15,57.61 D103.B9 ; D103.B9 183.96,58.42 ; D103.B9 183.15,59.23 ; D103.B9 182.34,58.42 ; 123.92,406.4 D428.A3 ; D428.A3 125.54,406.4 ; D428.A3 124.73,405.59 ; D428.A3 124.73,407.21 ; 248.38,81.28 D106.B6 ; D106.B6 249.19,82.09 ; D106.B6 249.19,80.47 ; D106.B6 250,81.28 ; 123.92,19.05 DPS3.C15 ; DPS3.C15 124.73,18.24 ; DPS3.C15 124.73,19.86 ; DPS3.C15 125.54,19.05 ; 119.65,339.55 CSDPS425.C5 ; CSDPS425.C5 119.65,341.17 ; CSDPS425.C5 118.84,340.36 ; CSDPS425.C5 120.46,340.36 ; 91.71,75.39 D122.A2 ; D122.A2 92.52,76.2 ; D122.A2 90.9,76.2 ; D122.A2 91.71,77.01 ; 118.84,370.84 D227.B5 ; D227.B5 119.65,370.03 ; D227.B5 120.46,370.84 ; D227.B5 119.65,371.65 ; 99.33,72.85 D122.A5 ; D122.A5 100.14,73.66 ; D122.A5 98.52,73.66 ; D122.A5 99.33,74.47 ; D115.A3 199.2,375.92 ; D115.A3 197.58,375.92 ; D115.A3 198.39,376.73 ; D115.A3 198.39,375.11 ; 236.49,37.29 D108.B1 ; D108.B1 235.68,38.1 ; D108.B1 236.49,38.91 ; D108.B1 237.3,38.1 ; 261.89,390.35 D112.B7 ; D112.B7 261.08,391.16 ; D112.B7 262.7,391.16 ; D112.B7 261.89,391.97 ; UHC230.G3_9 48.64,350.04 ; UHC230.G3_9 47.83,349.23 ; UHC230.G3_9 47.83,350.85 ; UHC230.G3_9 47.02,350.04 ; 30.75,405.59 D432.A11 ; D432.A11 31.56,406.4 ; D432.A11 30.75,407.21 ; D432.A11 29.94,406.4 ; D122.B16 127.27,82.09 ; D122.B16 127.27,80.47 ; D122.B16 128.08,81.28 ; D122.B16 126.46,81.28 ; D431.B9 36.64,381 ; D431.B9 35.83,381.81 ; D431.B9 35.83,380.19 ; D431.B9 35.02,381 ; D109.A16 239.84,332.74 ; D109.A16 238.22,332.74 ; D109.A16 239.03,331.93 ; D109.A16 239.03,333.55 ; 123.92,13.97 DPS3.A15 ; DPS3.A15 124.73,14.78 ; DPS3.A15 124.73,13.16 ; DPS3.A15 125.54,13.97 ; D103.B15 198.39,59.23 ; D103.B15 199.2,58.42 ; D103.B15 197.58,58.42 ; D103.B15 198.39,57.61 ; 183.15,375.11 D115.A9 ; D115.A9 183.96,375.92 ; D115.A9 183.15,376.73 ; D115.A9 182.34,375.92 ; 37.56,35.56 D120.A10 ; D120.A10 38.37,34.75 ; D120.A10 38.37,36.37 ; D120.A10 39.18,35.56 ; 99.33,339.55 CSDPS425.C13 ; CSDPS425.C13 100.14,340.36 ; CSDPS425.C13 99.33,341.17 ; CSDPS425.C13 98.52,340.36 ; 263.62,60.96 D107.B12 ; D107.B12 264.43,60.15 ; D107.B12 265.24,60.96 ; D107.B12 264.43,61.77 ; D116.A5 194.12,396.24 ; D116.A5 192.5,396.24 ; D116.A5 193.31,397.05 ; D116.A5 193.31,395.43 ; 114.57,77.93 D122.B11 ; D122.B11 115.38,78.74 ; D122.B11 114.57,79.55 ; D122.B11 113.76,78.74 ; D232.B14 23.13,389.43 ; D232.B14 23.13,387.81 ; D232.B14 22.32,388.62 ; D232.B14 23.94,388.62 ; D111.B15 242.38,370.84 ; D111.B15 241.57,370.03 ; D111.B15 241.57,371.65 ; D111.B15 240.76,370.84 ; 35.02,340.36 CSDPS429.C9 ; CSDPS429.C9 36.64,340.36 ; CSDPS429.C9 35.83,339.55 ; CSDPS429.C9 35.83,341.17 ; D431.A1 56.15,386.89 ; D431.A1 56.96,386.08 ; D431.A1 55.34,386.08 ; D431.A1 56.15,385.27 ; 52.8,378.46 D431.B2 ; D431.B2 54.42,378.46 ; D431.B2 53.61,379.27 ; D431.B2 53.61,377.65 ; 274.59,34.75 D108.A16 ; D108.A16 274.59,36.37 ; D108.A16 273.78,35.56 ; D108.A16 275.4,35.56 ; 246.65,93.17 D105.A5 ; D105.A5 247.46,93.98 ; D105.A5 246.65,94.79 ; D105.A5 245.84,93.98 ; D109.A11 251.73,336.09 ; D109.A11 251.73,334.47 ; D109.A11 252.54,335.28 ; D109.A11 250.92,335.28 ; D124.B6 102.68,40.64 ; D124.B6 101.87,41.45 ; D124.B6 101.06,40.64 ; D124.B6 101.87,39.83 ; 99.33,400.51 D428.B13 ; D428.B13 99.33,402.13 ; D428.B13 98.52,401.32 ; D428.B13 100.14,401.32 ; 127.27,331.93 CSDPS225.B2 ; CSDPS225.B2 126.46,332.74 ; CSDPS225.B2 127.27,333.55 ; CSDPS225.B2 128.08,332.74 ; D231.B8 38.37,369.11 ; D231.B8 37.56,368.3 ; D231.B8 39.18,368.3 ; D231.B8 38.37,367.49 ; D105.A11 262.7,93.98 ; D105.A11 261.89,93.17 ; D105.A11 261.08,93.98 ; D105.A11 261.89,94.79 ; D105.A14 270.32,96.52 ; D105.A14 268.7,96.52 ; D105.A14 269.51,97.33 ; D105.A14 269.51,95.71 ; D119.B4 23.13,61.77 ; D119.B4 23.13,60.15 ; D119.B4 23.94,60.96 ; D119.B4 22.32,60.96 ; 126.46,378.46 D427.B2 ; D427.B2 128.08,378.46 ; D427.B2 127.27,377.65 ; D427.B2 127.27,379.27 ; 29.94,396.24 D232.A11 ; D232.A11 31.56,396.24 ; D232.A11 30.75,395.43 ; D232.A11 30.75,397.05 ; 47.02,353.54 UHC230.G3_4 ; UHC230.G3_4 47.83,354.35 ; UHC230.G3_4 48.64,353.54 ; UHC230.G3_4 47.83,352.73 ; D115.B9 183.96,370.84 ; D115.B9 182.34,370.84 ; D115.B9 183.15,371.65 ; D115.B9 183.15,370.03 ; D112.A5 266.97,397.05 ; D112.A5 266.16,396.24 ; D112.A5 266.97,395.43 ; D112.A5 267.78,396.24 ; D122.A7 104.41,74.47 ; D122.A7 105.22,73.66 ; D122.A7 103.6,73.66 ; D122.A7 104.41,72.85 ; D113.A6 191.58,332.74 ; D113.A6 190.77,333.55 ; D113.A6 189.96,332.74 ; D113.A6 190.77,331.93 ; 114.57,32.21 D124.A11 ; D124.A11 114.57,33.83 ; D124.A11 115.38,33.02 ; D124.A11 113.76,33.02 ; 190.77,39.83 D104.B12 ; D104.B12 191.58,40.64 ; D104.B12 190.77,41.45 ; D104.B12 189.96,40.64 ; D104.B14 195.85,41.45 ; D104.B14 195.04,40.64 ; D104.B14 196.66,40.64 ; D104.B14 195.85,39.83 ; D104.B7 178.07,38.91 ; D104.B7 178.88,38.1 ; D104.B7 177.26,38.1 ; D104.B7 178.07,37.29 ; D123.B8 106.95,61.77 ; D123.B8 106.95,60.15 ; D123.B8 107.76,60.96 ; D123.B8 106.14,60.96 ; 30.75,37.29 D120.B7 ; D120.B7 29.94,38.1 ; D120.B7 31.56,38.1 ; D120.B7 30.75,38.91 ; 95.98,378.46 D427.B14 ; D427.B14 96.79,379.27 ; D427.B14 96.79,377.65 ; D427.B14 97.6,378.46 ; D116.B11 178.88,391.16 ; D116.B11 177.26,391.16 ; D116.B11 178.07,391.97 ; D116.B11 178.07,390.35 ; D116.B10 181.42,388.62 ; D116.B10 179.8,388.62 ; D116.B10 180.61,389.43 ; D116.B10 180.61,387.81 ; D228.A8 112.03,394.51 ; D228.A8 112.84,393.7 ; D228.A8 111.22,393.7 ; D228.A8 112.03,392.89 ; 23.13,342.09 CSDPS429.B14 ; CSDPS429.B14 22.32,342.9 ; CSDPS429.B14 23.94,342.9 ; CSDPS429.B14 23.13,343.71 ; 109.49,385.27 D427.A9 ; D427.A9 110.3,386.08 ; D427.A9 108.68,386.08 ; D427.A9 109.49,386.89 ; 43.57,351.79 UHC230.G3_8 ; UHC230.G3_8 44.38,350.98 ; UHC230.G3_8 44.38,352.6 ; UHC230.G3_8 45.19,351.79 ; 116.3,60.96 D123.B12 ; D123.B12 117.92,60.96 ; D123.B12 117.11,60.15 ; D123.B12 117.11,61.77 ; D120.B10 39.18,40.64 ; D120.B10 38.37,39.83 ; D120.B10 38.37,41.45 ; D120.B10 37.56,40.64 ; D116.A11 178.88,396.24 ; D116.A11 178.07,397.05 ; D116.A11 177.26,396.24 ; D116.A11 178.07,395.43 ; D113.A12 176.34,332.74 ; D113.A12 175.53,331.93 ; D113.A12 174.72,332.74 ; D113.A12 175.53,333.55 ; D103.A13 194.12,53.34 ; D103.A13 193.31,52.53 ; D103.A13 192.5,53.34 ; D103.A13 193.31,54.15 ; D111.A16 239.03,374.19 ; D111.A16 238.22,373.38 ; D111.A16 239.84,373.38 ; D111.A16 239.03,372.57 ; D116.A1 203.47,397.05 ; D116.A1 202.66,396.24 ; D116.A1 203.47,395.43 ; D116.A1 204.28,396.24 ; 192.5,93.98 D101.A13 ; D101.A13 193.31,94.79 ; D101.A13 194.12,93.98 ; D101.A13 193.31,93.17 ; D231.B1 56.96,370.84 ; D231.B1 56.15,370.03 ; D231.B1 56.15,371.65 ; D231.B1 55.34,370.84 ; 241.57,77.93 D106.B3 ; D106.B3 240.76,78.74 ; D106.B3 242.38,78.74 ; D106.B3 241.57,79.55 ; D123.B5 100.14,58.42 ; D123.B5 99.33,57.61 ; D123.B5 98.52,58.42 ; D123.B5 99.33,59.23 ; D105.A7 251.73,94.79 ; D105.A7 250.92,93.98 ; D105.A7 251.73,93.17 ; D105.A7 252.54,93.98 ; D104.A15 199.2,33.02 ; D104.A15 197.58,33.02 ; D104.A15 198.39,33.83 ; D104.A15 198.39,32.21 ; 261.08,38.1 D108.B11 ; D108.B11 262.7,38.1 ; D108.B11 261.89,38.91 ; D108.B11 261.89,37.29 ; 126.46,96.52 D121.A16 ; D121.A16 127.27,97.33 ; D121.A16 127.27,95.71 ; D121.A16 128.08,96.52 ; UHC230.G4_9 18.03,350.85 ; UHC230.G4_9 17.22,350.04 ; UHC230.G4_9 18.84,350.04 ; UHC230.G4_9 18.03,349.23 ; D228.B6 117.92,388.62 ; D228.B6 117.11,389.43 ; D228.B6 116.3,388.62 ; D228.B6 117.11,387.81 ; D104.A10 186.5,35.56 ; D104.A10 185.69,36.37 ; D104.A10 184.88,35.56 ; D104.A10 185.69,34.75 ; D110.A5 266.97,356.41 ; D110.A5 266.16,355.6 ; D110.A5 267.78,355.6 ; D110.A5 266.97,354.79 ; 114.57,37.29 D124.B11 ; D124.B11 113.76,38.1 ; D124.B11 114.57,38.91 ; D124.B11 115.38,38.1 ; D112.B8 260.16,388.62 ; D112.B8 258.54,388.62 ; D112.B8 259.35,389.43 ; D112.B8 259.35,387.81 ; 101.87,75.39 D122.A6 ; D122.A6 102.68,76.2 ; D122.A6 101.87,77.01 ; D122.A6 101.06,76.2 ; D116.B3 198.39,391.97 ; D116.B3 198.39,390.35 ; D116.B3 199.2,391.16 ; D116.B3 197.58,391.16 ; D114.A13 173.8,355.6 ; D114.A13 172.99,354.79 ; D114.A13 172.99,356.41 ; D114.A13 172.18,355.6 ; 93.44,386.08 D427.A15 ; D427.A15 95.06,386.08 ; D427.A15 94.25,385.27 ; D427.A15 94.25,386.89 ; 124.73,370.03 D227.B3 ; D227.B3 123.92,370.84 ; D227.B3 124.73,371.65 ; D227.B3 125.54,370.84 ; D428.B1 129.81,402.13 ; D428.B1 129.81,400.51 ; D428.B1 129,401.32 ; D428.B1 130.62,401.32 ; 273.78,60.96 D107.B16 ; D107.B16 274.59,61.77 ; D107.B16 275.4,60.96 ; D107.B16 274.59,60.15 ; D116.A15 167.91,397.05 ; D116.A15 167.1,396.24 ; D116.A15 168.72,396.24 ; D116.A15 167.91,395.43 ; 13.77,365.45 UHC430.G1_3 ; UHC430.G1_3 14.58,364.64 ; UHC430.G1_3 15.39,365.45 ; UHC430.G1_3 14.58,366.26 ; 192.5,375.92 D115.A5 ; D115.A5 193.31,376.73 ; D115.A5 194.12,375.92 ; D115.A5 193.31,375.11 ; 251.73,32.21 D108.A7 ; D108.A7 250.92,33.02 ; D108.A7 252.54,33.02 ; D108.A7 251.73,33.83 ; D113.B5 193.31,331.01 ; D113.B5 193.31,329.39 ; D113.B5 192.5,330.2 ; D113.B5 194.12,330.2 ; D111.B6 265.24,368.3 ; D111.B6 264.43,369.11 ; D111.B6 263.62,368.3 ; D111.B6 264.43,367.49 ; CSDPS429.B2 53.61,343.71 ; CSDPS429.B2 52.8,342.9 ; CSDPS429.B2 53.61,342.09 ; CSDPS429.B2 54.42,342.9 ; D110.B15 241.57,351.33 ; D110.B15 242.38,350.52 ; D110.B15 240.76,350.52 ; D110.B15 241.57,349.71 ; D106.A4 244.92,76.2 ; D106.A4 244.11,75.39 ; D106.A4 244.11,77.01 ; D106.A4 243.3,76.2 ; CSDPS429.C7 40.91,341.17 ; CSDPS429.C7 40.91,339.55 ; CSDPS429.C7 41.72,340.36 ; CSDPS429.C7 40.1,340.36 ; D428.A4 122.19,404.67 ; D428.A4 122.19,403.05 ; D428.A4 121.38,403.86 ; D428.A4 123,403.86 ; 192.5,335.28 D113.A5 ; D113.A5 194.12,335.28 ; D113.A5 193.31,336.09 ; D113.A5 193.31,334.47 ; DPS1.B01 236.49,17.32 ; DPS1.B01 237.3,16.51 ; DPS1.B01 235.68,16.51 ; DPS1.B01 236.49,15.7 ; D232.B13 25.67,391.97 ; D232.B13 26.48,391.16 ; D232.B13 24.86,391.16 ; D232.B13 25.67,390.35 ; 101.06,403.86 D428.A12 ; D428.A12 101.87,403.05 ; D428.A12 101.87,404.67 ; D428.A12 102.68,403.86 ; 239.03,392.89 D112.A16 ; D112.A16 239.84,393.7 ; D112.A16 238.22,393.7 ; D112.A16 239.03,394.51 ; 172.18,350.52 D114.B13 ; D114.B13 172.99,349.71 ; D114.B13 172.99,351.33 ; D114.B13 173.8,350.52 ; D432.A9 36.64,406.4 ; D432.A9 35.83,405.59 ; D432.A9 35.02,406.4 ; D432.A9 35.83,407.21 ; D427.B10 106.95,379.27 ; D427.B10 106.95,377.65 ; D427.B10 107.76,378.46 ; D427.B10 106.14,378.46 ; CSDPS226.C7 115.38,350.52 ; CSDPS226.C7 113.76,350.52 ; CSDPS226.C7 114.57,351.33 ; CSDPS226.C7 114.57,349.71 ; D121.A11 114.57,94.79 ; D121.A11 113.76,93.98 ; D121.A11 115.38,93.98 ; D121.A11 114.57,93.17 ; 126.46,76.2 D122.A16 ; D122.A16 127.27,77.01 ; D122.A16 127.27,75.39 ; D122.A16 128.08,76.2 ; D108.A2 239.03,36.37 ; D108.A2 238.22,35.56 ; D108.A2 239.03,34.75 ; D108.A2 239.84,35.56 ; 30.75,380.19 D431.B11 ; D431.B11 31.56,381 ; D431.B11 29.94,381 ; D431.B11 30.75,381.81 ; D118.A7 30.75,74.47 ; D118.A7 31.56,73.66 